# Altium PCB 11BRANMB10H2_20170927.pcbdoc (part 8 of 11) (continued)
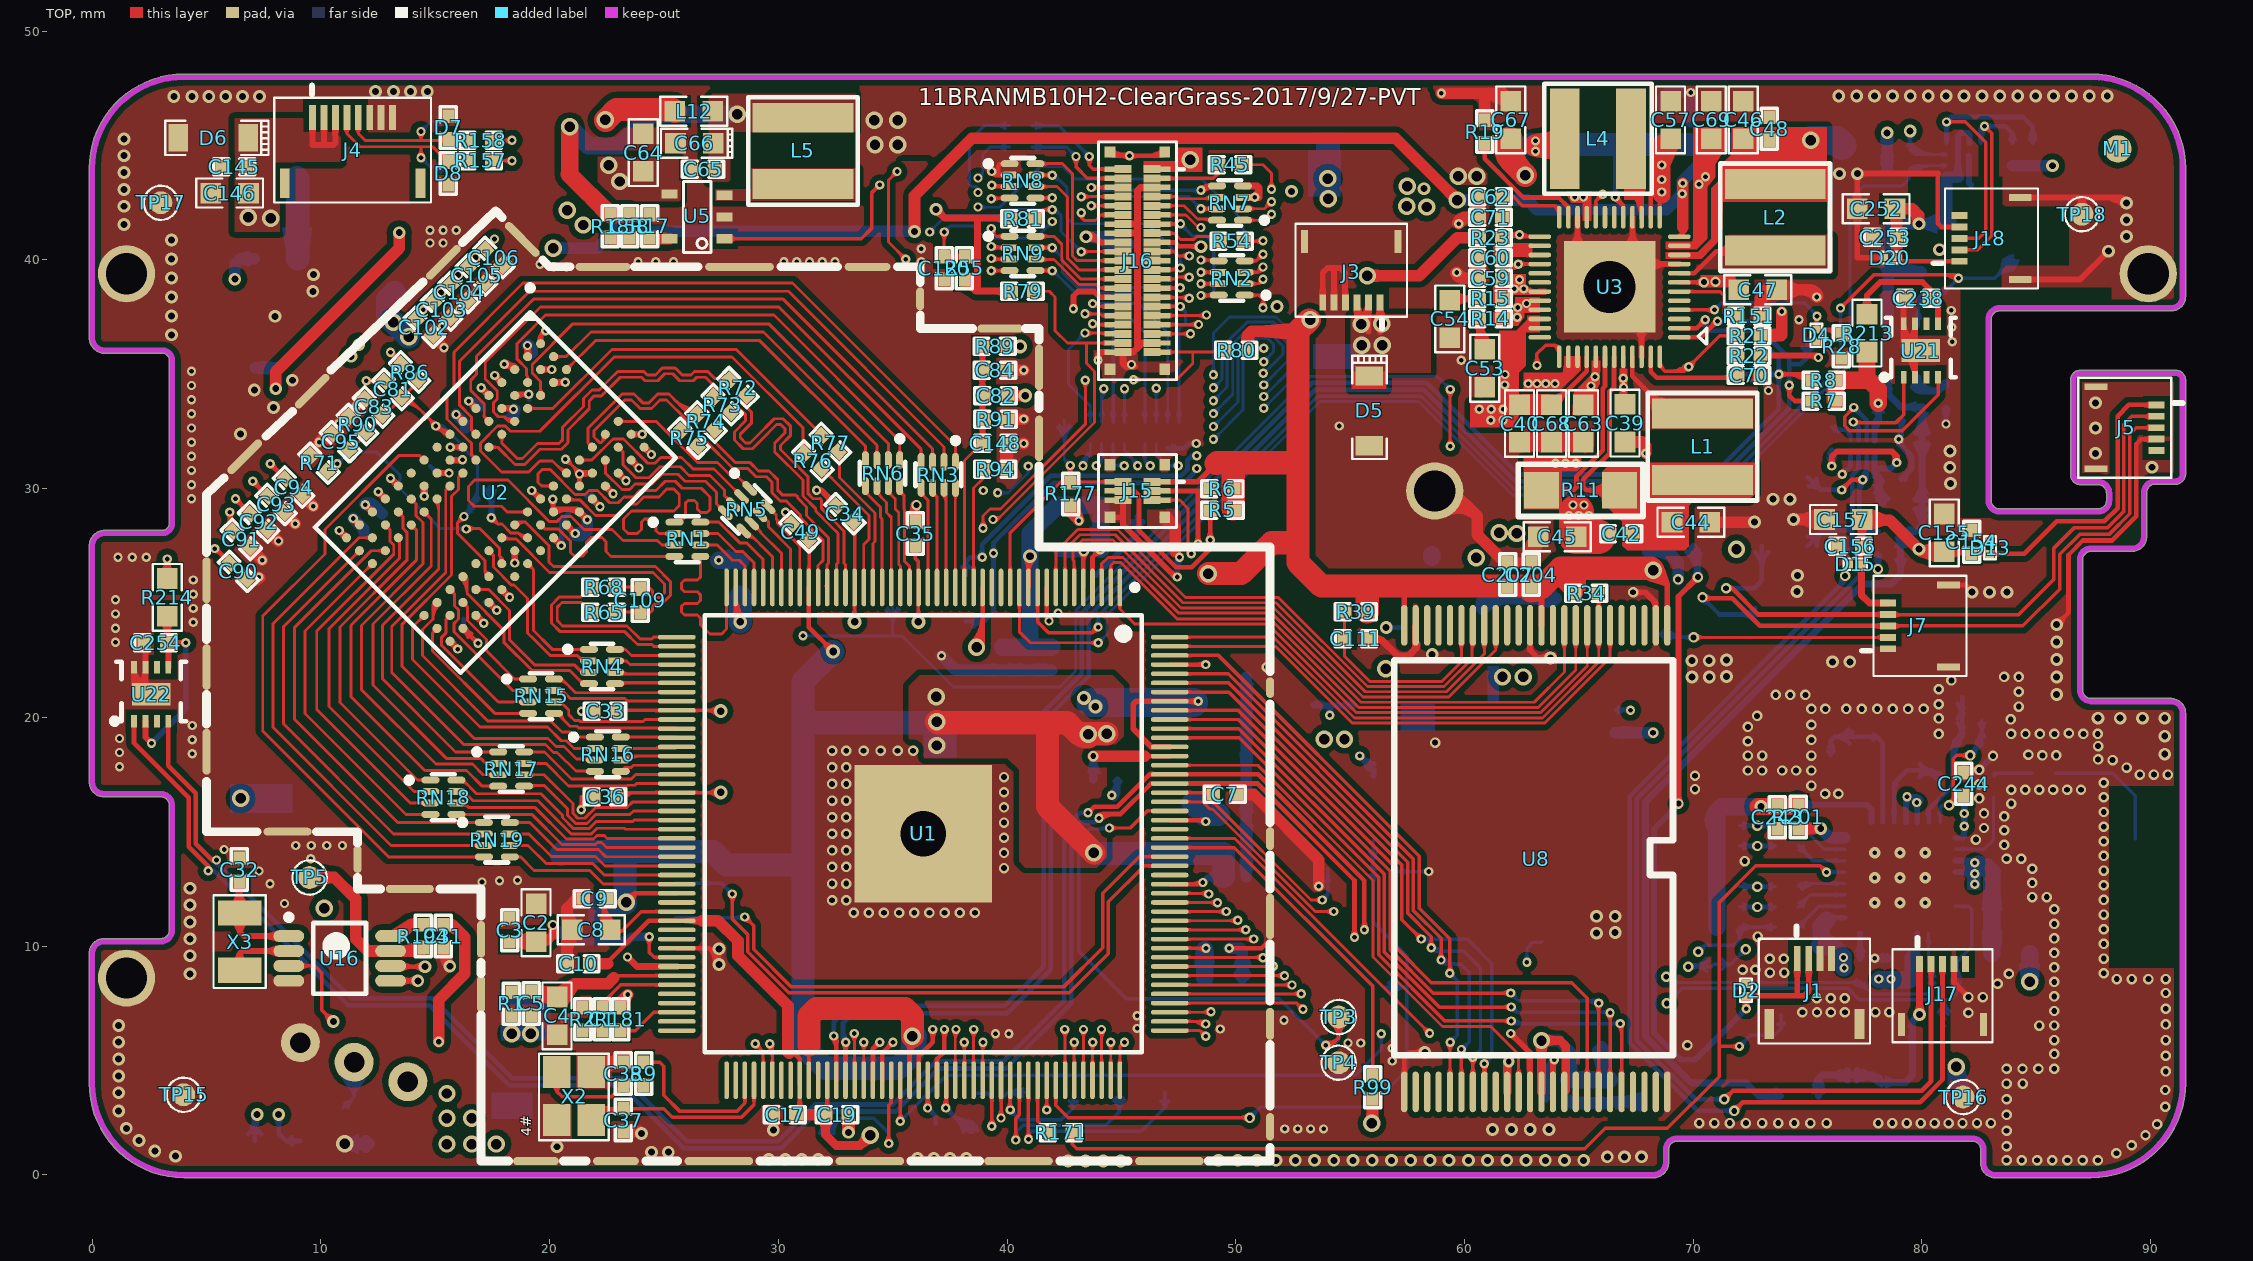
[diagram p0: TOP view]
## Nets (pads, with @x,y where several pads share a name; then routed paths per layer and width w, separated by ;. In a path a pad name is that pad's centre, name@x,y a point inside that pad or via, vN(x,y) a via of type N, cw(c..) or ccw(c..) an arc to the next point about the centre after c; other vN are vias at no path point) (continued)
  other v1: 73.875,37.744
SA0: RN17.5 U1.64 | length 8.1
  TOP w0.127: RN17.5@18.882,16.992 18.905,17.015 19.774,17.015 20.788,16.001 20.788,15.712 21.138,15.362 21.632,15.362 22.031,15.761 23.514,15.761 23.661,15.908 U1.64@25.56,15.908 ; RN17.5@19.186,16.929 cw(c19.393,16.722) 19.393,17.015 ; RN17.5@19.186,17.055 ccw(c19.283,17.151) 19.283,17.015
SA1: RN15.7 U1.52 | length 6
  TOP w0.127: RN15.7@20.187,21.178 20.55,21.178 20.902,20.825 23.297,20.825 23.414,20.708 U1.52@25.56,20.708 ; RN15.7@20.428,21.089 cw(c20.428,20.581) 20.787,20.94
SA2: RN18.7 U1.66 | length 10.9
  TOP w0.127: RN18.7@15.92,16.758 16.248,16.758 16.649,16.357 19.493,16.357 20.945,14.905 21.822,14.905 22.068,15.152 23.276,15.152 23.32,15.108 U1.66@25.56,15.108 ; RN18.7@16.161,16.669 cw(c16.161,16.245) 16.461,16.545
SA3: RN18.8 U1.65 | length 11
  TOP w0.127: RN18.8@15.92,17.258 16.205,17.258 16.802,16.661 19.619,16.661 20.559,15.721 20.559,15.617 21.043,15.134 21.727,15.134 22.05,15.456 23.641,15.456 23.692,15.508 U1.65@25.56,15.508 ; RN18.8@16.161,17.169 cw(c16.161,16.849) 16.388,17.075
SA4: RN15.8 U1.51 | length 6.4
  TOP w0.127: RN15.8@20.187,21.678 20.535,21.678 21.133,21.079 U1.51@25.27,21.079 ; RN15.8@20.428,21.589 cw(c20.428,21.118) 20.761,21.451 ; 24.678,21.079 ccw(c24.678,21.265) U1.51@24.809,21.133 ; U1.51@25.27,21.079 25.299,21.108 U1.51@25.56,21.108 U1.51@25.27,21.079
SA5: RN18.6 U1.67 | length 10.8
  TOP w0.127: RN18.6@15.92,16.258 16.269,16.258 16.475,16.052 ; RN18.6@16.166,16.169 cw(c16.19,15.767) 16.475,16.052 ; U1.67@25.56,14.708 22.512,14.708 22.388,14.832 22.072,14.832 21.916,14.676 20.742,14.676 19.366,16.052 16.475,16.052
SA6: RN15.6 U1.54 | length 6.2
  TOP w0.127: RN15.6@20.187,20.678 20.481,20.678 20.835,20.325 20.835,20.118 21.085,19.867 21.3,19.867 21.354,19.813 24.068,19.813 24.163,19.908 U1.54@25.56,19.908 ; RN15.6@20.428,20.589 cw(c20.428,20.246) 20.671,20.488
SA7: RN19.6 U1.71 | length 8.2
  TOP w0.127: RN19.6@18.257,14.404 19.059,14.404 19.851,13.612 21.882,13.612 22.387,13.108 U1.71@25.56,13.108 ; RN19.6@18.561,14.341 cw(c18.713,14.189) 18.713,14.404 cw(c18.713,14.618) RN19.6@18.561,14.467
SA8: RN15.5 U1.55 | length 6.4
  TOP w0.127: RN15.5@20.517,20.178 ccw(c20.981,20.178) 20.653,19.85 ; 24.682,19.535 cw(c24.682,19.355) U1.55@24.809,19.482 ; U1.55@25.56,19.508 25.533,19.535 21.273,19.535 21.194,19.613 20.89,19.613 RN15.5@20.413,20.09 ; RN15.5@20.413,20.09 RN15.5@20.187,20.178 20.275,20.09 RN15.5@20.413,20.09
SA9: RN19.8 U1.69 | length 8.3
  TOP w0.127: RN19.8@18.257,15.404 19.126,15.404 20.311,14.219 22.106,14.219 22.109,14.222 22.135,14.222 22.449,13.908 U1.69@25.56,13.908 ; RN19.8@18.561,15.341 cw(c18.713,15.189) 18.713,15.404 cw(c18.713,15.618) RN19.8@18.561,15.467
SA10: RN4.7 U1.48 | length 3.1
  TOP w0.127: RN4.7@22.854,22.473 23.343,22.473 23.508,22.308 U1.48@25.56,22.308 ; RN4.7@23.158,22.41 cw(c23.31,22.258) 23.31,22.473 cw(c23.31,22.688) RN4.7@23.158,22.536
SA11: RN16.8 U1.56 | length 3
  TOP w0.127: RN16.8@23.11,19.141 25.527,19.141 U1.56@25.56,19.108 ; RN16.8@23.415,19.078 cw(c23.566,18.926) 23.566,19.141 cw(c23.566,19.355) RN16.8@23.415,19.204 ; 24.667,19.141 cw(c24.667,18.94) U1.56@24.809,19.082
SA12: RN4.5 U1.50 | length 3
  TOP w0.152: RN4.5@22.854,21.473 22.889,21.508 U1.50@25.56,21.508 ; RN4.5@23.149,21.419 cw(c23.363,21.205) 23.363,21.508
SA13: RN18.5 U1.68 | length 10.6
  TOP w0.127: RN18.5@15.92,15.758 15.931,15.747 19.24,15.747 20.539,14.448 22.011,14.448 22.09,14.527 22.261,14.527 22.48,14.308 U1.68@25.56,14.308 ; RN18.5@16.224,15.695 cw(c16.349,15.57) 16.349,15.747 ; RN18.5@16.224,15.821 ccw(c16.402,15.999) 16.402,15.747
SA14: RN16.7 U1.57 | length 3.1
  TOP w0.127: RN16.7@23.11,18.641 25.493,18.641 U1.57@25.56,18.708 ; RN16.7@23.415,18.578 cw(c23.566,18.426) 23.566,18.641 cw(c23.566,18.855) RN16.7@23.415,18.703 ; 24.585,18.641 ccw(c24.585,18.958) U1.57@24.809,18.734
SBA0: RN17.6 U1.63 | length 8.4
  TOP w0.127: RN17.6@18.882,17.492 19.759,17.492 21.017,16.234 21.017,15.806 21.232,15.591 21.538,15.591 22.013,16.066 23.388,16.066 23.63,16.308 U1.63@25.56,16.308 ; RN17.6@19.186,17.429 cw(c19.338,17.277) 19.338,17.492 cw(c19.338,17.707) RN17.6@19.186,17.555
SBA1: RN4.6 U1.49 | length 3.7
  TOP w0.127: RN4.6@22.854,21.973 22.934,21.893 U1.49@25.121,21.893 ; RN4.6@23.158,22.036 ccw(c23.504,22.381) 23.504,21.893 ; 24.711,21.893 ccw(c24.711,22.032) U1.49@24.809,21.934 ; U1.49@25.121,21.893 25.135,21.908 U1.49@25.56,21.908 U1.49@25.121,21.893
SBA2: RN17.7 U1.61 | length 7.5
  TOP w0.127: RN17.7@18.882,17.992 19.84,17.992 20.827,17.005 23.404,17.005 23.431,17.033 23.724,17.033 23.799,17.108 U1.61@25.56,17.108 ; RN17.7@19.186,17.929 cw(c19.338,17.777) 19.338,17.992 cw(c19.338,18.207) RN17.7@19.186,18.055
SCAS: RN16.5 U1.59 | length 2.6
  TOP w0.127: RN16.5@23.11,17.641 23.28,17.81 23.57,17.81 23.668,17.908 U1.59@25.56,17.908
SCK: R65.2 U1.45 | length 8.6
  TOP w0.127: 21.469,24.93 ccw(c21.805,25.265) R65.2@21.805,24.79 ; 21.494,24.905 cw(c21.193,24.604) R65.2@21.619,24.604 ; R65.2@21.795,24.604 21.382,25.017 20.536,25.017 20.333,24.814 20.333,24.233 20.566,24.001 23.385,24.001 23.951,23.435 24.48,23.435 24.553,23.508 U1.45@25.56,23.508
SCK-N: R68.2 U1.46 | length 9.4
  TOP w0.127: 21.47,25.371 cw(c21.805,25.036) R68.2@21.805,25.51 ; 21.494,25.395 ccw(c21.192,25.696) R68.2@21.618,25.696 ; R68.2@21.795,25.696 21.37,25.271 20.431,25.271 20.079,24.919 20.079,24.128 20.46,23.747 23.28,23.747 23.846,23.181 24.48,23.181 24.553,23.108 U1.46@25.56,23.108
SCKE: RN4.8 U1.47 | length 3.2
  TOP w0.127: RN4.8@22.854,22.973 23.319,22.973 23.584,22.708 U1.47@25.56,22.708 ; RN4.8@23.158,22.91 cw(c23.31,22.758) 23.31,22.973 cw(c23.31,23.188) RN4.8@23.158,23.036
SD_CLK_1: R171.2 TP43.1 U7.21 | length 54.2
  TOP w0.152: R171.2@42.854,1.829 42.854,1.329 43.04,1.143 65.265,1.143 66.154,2.032 68.872,2.032 71.132,4.293 71.132,5.613 ; v1(72.021,5.613) 71.132,5.613 ; v1(75.831,13.233) 75.552,13.513 72.737,13.513 71.132,11.908 71.132,5.613 ; 42.854,1.409 ccw(c42.434,1.409) 42.731,1.706 cw(c42.434,1.409) 42.854,1.409 ; 42.854,1.409 cw(c43.274,1.409) 42.977,1.706 ccw(c43.274,1.409) 42.854,1.409 ; 71.715,5.613 ccw(c71.715,5.92) 71.931,5.703 cw(c71.715,5.92) 71.715,5.613 ; 71.715,5.613 cw(c71.715,5.307) 71.931,5.524 ccw(c71.715,5.307) 71.715,5.613 ; 75.614,13.45 ccw(c75.831,13.667) 75.831,13.36 cw(c75.831,13.667) 75.614,13.45 ; 75.614,13.45 cw(c75.398,13.233) 75.704,13.233 ccw(c75.398,13.233) 75.614,13.45
  BOTTOM w0.152: v1(72.021,5.613) 72.504,6.096 73.545,6.096 73.85,6.401 73.85,6.95 TP43.1@73.8,7 ; v1(75.831,13.233) 76.614,13.233 U7.21@76.618,13.237 ; 72.238,5.83 ccw(c72.455,5.613) 72.148,5.613 cw(c72.455,5.613) 72.238,5.83 ; 72.238,5.83 cw(c72.021,6.047) 72.021,5.74 ccw(c72.021,6.047) 72.238,5.83 ; 73.85,6.399 ccw(c73.655,6.399) 73.701,6.588 cw(c73.655,6.399) 73.85,6.399 ; 73.85,6.399 cw(c74.097,6.399) 73.988,6.62 ccw(c74.097,6.399) 73.85,6.399 ; 76.138,13.233 ccw(c76.138,12.927) 75.921,13.144 cw(c76.138,12.927) 76.138,13.233 ; 76.138,13.233 cw(c76.138,13.54) 75.921,13.323 ccw(c76.138,13.54) 76.138,13.233 ; 76.216,13.233 ccw(c76.216,13.364) 76.308,13.272 cw(c76.216,13.364) 76.216,13.233
SD_CMD_1: R170.2 U7.20 | length 4.8
  BOTTOM w0.152: R170.2@74.59,12.606 74.721,12.737 U7.20@76.618,12.737 ; R170.2@74.657,12.62 ccw(c74.814,12.745) 74.914,12.571 ; R170.2@74.776,12.714 ccw(c74.954,12.856) 75.068,12.659 ; R170.2@74.655,12.591 cw(c75.008,12.238) 75.008,12.737 ccw(c75.008,12.238) R170.2@74.655,12.591 ; R170.2@74.763,12.483 cw(c75.376,11.87) 75.376,12.737 ccw(c75.376,11.87) R170.2@74.763,12.483
SD_D0_1: R172.2 U7.22 | length 4
  BOTTOM w0.152: R172.2@74.59,14.384 75.237,13.737 U7.22@76.618,13.737 ; R172.2@74.634,14.364 cw(c74.523,14) 74.89,14.098 ; R172.2@74.64,14.21 cw(c74.64,13.912) 74.851,14.123 ccw(c74.64,13.912) R172.2@74.64,14.21 ; R172.2@74.814,14.384 ccw(c75.354,14.384) 74.972,14.002 cw(c75.354,14.384) R172.2@74.814,14.384
SD_D1_1: R173.2 U7.23 | length 4.2
  BOTTOM w0.152: R173.2@74.59,15.273 74.691,15.273 74.7,15.264 75.727,14.237 U7.23@76.618,14.237 ; R173.2@74.758,15.259 cw(c74.616,14.865) 75.021,14.973 ; R173.2@74.765,15.105 cw(c74.765,14.879) 74.925,15.039 ccw(c74.765,14.879) R173.2@74.765,15.105 ; R173.2@74.939,15.279 ccw(c75.552,15.279) 75.119,14.846 cw(c75.552,15.279) R173.2@74.939,15.279
SD_D2_1: R168.2 U7.18 | length 4.1
  BOTTOM w0.152: R168.2@74.59,10.828 75.499,11.737 U7.18@76.618,11.737 ; R168.2@74.634,10.849 ccw(c74.523,11.212) 74.89,11.114 ; R168.2@74.64,11.002 ccw(c74.64,11.301) 74.851,11.09 cw(c74.64,11.301) R168.2@74.64,11.002 ; R168.2@74.814,10.828 cw(c75.354,10.828) 74.972,11.21 ccw(c75.354,10.828) R168.2@74.814,10.828
SD_D3_1: R169.2 U7.19 | length 3.9
  BOTTOM w0.152: R169.2@74.59,11.717 75.11,12.237 U7.19@76.618,12.237 ; R169.2@74.634,11.738 ccw(c74.523,12.101) 74.89,12.003 ; R169.2@74.64,11.891 ccw(c74.64,12.19) 74.851,11.979 cw(c74.64,12.19) R169.2@74.64,11.891 ; R169.2@74.814,11.717 cw(c75.354,11.717) 74.972,12.099 ccw(c75.354,11.717) R169.2@74.814,11.717
SDQ0: RN3.5 U1.22 | length 4.8
  TOP w0.127: RN3.5@36.245,29.709 cw(c36.245,29.504) 36.391,29.649 ; RN3.5@36.245,30.04 36.245,29.794 36.547,29.493 36.547,29.072 36.535,29.059 U1.22@36.535,25.683 ; RN3.5@36.334,29.798 ccw(c36.558,29.798) 36.4,29.64
SDQ1: RN1.8 U1.40 | length 5
  TOP w0.127: RN1.8@26.588,28.536 27.406,28.536 28.309,27.633 28.602,27.633 29.335,26.9 U1.40@29.335,25.683 ; RN1.8@26.892,28.473 cw(c27.044,28.321) 27.044,28.536 cw(c27.044,28.75) RN1.8@26.892,28.599
SDQ2: RN3.6 U1.21 | length 4.7
  TOP w0.127: RN3.6@36.746,30.04 36.746,29.833 36.928,29.651 ; RN3.6@36.756,29.71 cw(c36.781,29.504) 36.928,29.651 ; RN3.6@36.834,29.798 ccw(c36.964,29.798) 36.873,29.706 ; U1.21@36.935,25.683 36.928,29.464 36.928,29.651
SDQ3: RN1.7 U1.41 | length 4.3
  TOP w0.127: RN1.7@26.588,28.036 27.367,28.036 28.151,27.252 28.445,27.252 28.935,26.761 U1.41@28.935,25.683 ; RN1.7@26.892,27.973 cw(c27.044,27.821) 27.044,28.036 cw(c27.044,28.25) RN1.7@26.892,28.098
SDQ4: RN3.8 U1.19 | length 4.7
  TOP w0.127: RN3.8@37.682,29.737 cw(c37.538,29.598) 37.737,29.595 ; U1.19@37.735,25.683 37.735,29.48 RN3.8@37.746,30.04 ; 37.737,29.573 cw(c37.967,29.569) RN3.8@37.807,29.734
SDQ5: RN1.5 U1.44 | length 9.2
  TOP w0.127: RN1.5@26.525,26.973 cw(c26.373,26.821) 26.588,26.821 cw(c26.802,26.821) RN1.5@26.651,26.973 ; RN1.5@26.588,27.036 26.588,26.129 26.461,26.002 25.896,26.002 25.769,25.875 25.769,25.621 25.896,25.494 26.461,25.494 26.588,25.367 26.588,25.113 26.461,24.986 25.896,24.986 25.769,24.859 25.769,24.605 25.896,24.478 26.461,24.478 26.588,24.351 26.588,24.071 27.013,23.645 27.521,23.645 27.735,23.859 U1.44@27.735,25.683
SDQ6: RN3.7 U1.20 | length 6
  TOP w0.127: RN3.7@37.183,29.735 cw(c36.814,29.367) 37.335,29.367 ; RN3.7@37.237,29.71 cw(c37.226,29.602) 37.335,29.602 ; RN3.7@37.24,29.71 cw(c37.236,29.636) 37.309,29.636 ; RN3.7@37.272,29.825 cw(c37.121,29.674) 37.335,29.674 ; RN3.7@37.321,29.751 ccw(c37.408,29.696) 37.335,29.623 ; U1.20@37.335,25.683 37.335,27.03 37.326,27.04 37.335,27.576 37.335,29.623 ; RN3.7@37.245,30.04 RN3.7@37.309,29.809 ; RN3.7@37.245,30.04 RN3.7@37.278,29.84 ; RN3.7@37.245,30.04 37.245,29.872 RN3.7@37.278,29.84 ; RN3.7@37.278,29.84 RN3.7@37.309,29.809 ; RN3.7@37.278,29.84 37.309,29.649 ; 37.309,29.649 37.335,29.623 ; 37.309,29.649 RN3.7@37.309,29.809
SDQ7: RN1.6 U1.42 | length 3.6
  TOP w0.127: RN1.6@26.588,27.536 27.328,27.536 27.993,26.871 28.287,26.871 28.535,26.623 U1.42@28.535,25.683 ; RN1.6@26.892,27.473 cw(c27.044,27.321) 27.044,27.536 cw(c27.044,27.75) RN1.6@26.892,27.599
SDQ8: RN5.7 U1.37 | length 4
  TOP w0.127: RN5.7@29.19,28.858 29.267,28.858 29.577,28.548 ; RN5.7@29.382,28.601 cw(c29.433,28.403) 29.577,28.548 ; U1.37@30.535,25.683 30.535,27.362 29.577,28.32 29.577,28.548
SDQ9: RN6.7 U1.25 | length 5
  TOP w0.127: RN6.7@34.807,29.786 cw(c34.807,29.614) 34.929,29.735 ; RN6.7@34.807,30.116 34.807,29.857 35.109,29.555 35.109,29.112 35.264,28.957 35.264,26.692 35.335,26.621 U1.25@35.335,25.683 ; RN6.7@34.896,29.875 ccw(c35.153,29.875) 34.971,29.693
SDQ10: RN5.5 U1.39 | length 3.7
  TOP w0.127: RN5.5@28.483,28.151 28.623,28.151 29.735,27.039 U1.39@29.735,25.683 ; RN5.5@28.653,27.891 cw(c28.653,27.337) 29.045,27.729 ; RN5.5@28.653,28.018 cw(c28.653,27.771) 28.829,27.946
SDQ11: RN6.8 U1.24 | length 4.9
  TOP w0.127: RN6.8@35.307,30.116 35.307,29.896 35.49,29.713 ; RN6.8@35.309,29.786 cw(c35.314,29.537) 35.49,29.713 ; RN6.8@35.396,29.875 ccw(c35.559,29.875) 35.444,29.759 ; U1.24@35.735,25.683 35.735,26.608 35.518,26.825 35.518,29.089 35.49,29.117 35.49,29.713
SDQ12: RN5.8 U1.36 | length 4.4
  TOP w0.127: RN5.8@29.544,29.212 29.909,28.846 29.909,28.678 29.958,28.628 29.958,28.478 30.935,27.501 U1.36@30.935,25.683 ; RN5.8@29.714,28.952 cw(c29.714,28.738) 29.866,28.889 ; RN5.8@29.803,29.041 ccw(c30.018,29.041) 29.866,28.889
SDQ13: RN6.6 U1.26 | length 5
  TOP w0.127: RN6.6@34.307,30.116 34.307,29.818 34.728,29.397 34.728,28.954 34.935,28.747 U1.26@34.935,25.683 ; RN6.6@34.396,29.875 ccw(c34.747,29.875) 34.499,29.626
SDQ14: RN5.6 U1.38 | length 3.7
  TOP w0.127: RN5.6@28.836,28.505 29.225,28.116 29.225,28.088 30.135,27.178 U1.38@30.135,25.683 ; RN5.6@29.007,28.245 cw(c29.007,28.03) 29.159,28.182 ; RN5.6@29.096,28.334 ccw(c29.31,28.334) 29.159,28.182
SDQ15: RN6.5 U1.27 | length 5.1
  TOP w0.127: RN6.5@33.807,29.786 cw(c33.807,29.636) 33.913,29.742 ; RN6.5@33.807,30.116 33.807,29.848 34.474,29.181 34.474,28.74 34.535,28.679 U1.27@34.535,25.683 ; RN6.5@33.896,29.875 ccw(c34.175,29.875) 33.978,29.677
SDQM0: R76.1 U1.29 | length 7.1
  TOP w0.127: R76.1@31.898,30.639 cw(c31.898,30.017) 32.338,30.457 ; R76.1@31.898,30.766 cw(c31.898,30.451) 32.121,30.674 ; R76.1@31.905,30.819 31.976,30.819 33.966,28.829 33.966,27.79 33.735,27.56 U1.29@33.735,25.683 ; R76.1@32.085,30.826 ccw(c32.363,30.826) 32.166,30.629
SDQM1: R77.1 U1.28 | length 7.3
  TOP w0.127: R77.1@32.528,31.456 cw(c32.193,31.12) 32.667,31.12 ; 32.667,31.155 cw(c33.093,31.155) R77.1@32.792,31.456 ; R77.1@32.667,31.581 32.667,30.487 34.22,28.935 34.22,27.685 34.135,27.6 U1.28@34.135,25.683
SDQS0: R72.1 U1.31 | length 14
  TOP w0.127: R72.1@28.49,33.894 cw(c28.369,33.774) R72.1@28.539,33.774 ; 28.539,33.625 cw(c28.786,33.625) R72.1@28.692,33.854 ; R72.1@28.629,34.019 28.539,33.93 28.539,33.634 28.818,33.355 28.818,32.862 28.334,32.378 28.334,32.234 28.567,32.002 28.764,32.002 28.996,32.234 29.819,33.057 30.208,33.057 30.538,32.727 30.538,32.337 30.095,31.894 30.095,31.714 31.304,30.506 31.304,29.776 31.519,29.561 31.825,29.561 31.83,29.566 31.89,29.506 31.89,29.125 31.916,29.099 32.412,28.602 32.862,28.153 32.862,26.763 32.935,26.69 U1.31@32.935,25.683
SDQS0-N: R73.1 U1.32 | length 13.8
  TOP w0.127: R73.1@27.943,33.282 28.189,33.529 ; R73.1@27.98,33.471 ccw(c28.033,33.684) 28.189,33.529 ; R73.1@28.12,33.318 cw(c28.362,33.355) 28.189,33.529 ; U1.32@32.535,25.683 32.535,26.69 32.608,26.763 32.608,28.047 32.307,28.348 31.662,28.994 31.636,29.019 31.636,29.121 31.075,29.682 31.075,30.375 29.841,31.609 29.841,31.999 30.284,32.443 30.284,32.622 30.103,32.803 29.924,32.803 29.25,32.129 28.869,31.748 28.461,31.748 28.08,32.129 28.08,32.484 28.564,32.967 28.564,33.25 28.286,33.529 28.189,33.529
SDQS1: R74.1 U1.33 | length 10.7
  TOP w0.127: 27.09,32.144 cw(c27.292,32.144) R74.1@27.257,32.344 ; 27.09,32.296 cw(c27.266,32.296) R74.1@27.235,32.469 ; R74.1@27.232,32.52 27.09,32.378 27.09,32.169 28.122,31.136 28.768,31.136 29.129,30.775 29.587,30.775 29.973,30.389 29.973,29.932 30.188,29.716 30.776,29.716 30.846,29.646 30.846,29.587 31.23,29.204 31.23,28.825 32.198,27.857 32.198,26.743 32.135,26.681 U1.33@32.135,25.683 U1.33@32.068,25.75
SDQS1-N: R75.1 U1.34 | length 10.2
  TOP w0.127: R75.1@26.495,31.809 26.495,31.839 26.709,32.053 ; R75.1@26.526,31.999 ccw(c26.568,32.194) 26.709,32.053 ; R75.1@26.665,31.874 cw(c26.833,31.928) 26.709,32.053 ; U1.34@31.735,25.683 31.735,26.64 31.944,26.849 31.944,27.752 30.976,28.72 30.976,28.832 30.346,29.462 30.083,29.462 29.719,29.826 29.719,30.283 29.481,30.521 29.024,30.521 28.663,30.882 28.016,30.882 26.846,32.053 26.709,32.053
SODT: RN19.5 U1.72 | length 8.1
  TOP w0.127: RN19.5@18.257,13.904 18.721,13.904 19.317,13.308 21.756,13.308 22.355,12.708 U1.72@25.56,12.708 ; RN19.5@18.561,13.841 cw(c18.713,13.689) 18.713,13.904 cw(c18.713,14.118) RN19.5@18.561,13.967
SRAS: RN16.6 U1.58 | length 3.6
  TOP w0.127: RN16.6@23.11,18.141 23.277,18.308 U1.58@25.56,18.308 ; RN16.6@23.235,18.257 cw(c23.357,18.136) 23.357,18.308 ; RN16.6@23.325,18.168 cw(c23.663,17.829) 23.663,18.308 ; RN16.6@23.415,18.078 cw(c23.97,17.523) 23.97,18.308
SRST: RN19.7 U1.70 | length 8.2
  TOP w0.127: RN19.7@18.257,14.904 19.089,14.904 20.075,13.917 22.009,13.917 22.418,13.508 U1.70@25.56,13.508 ; RN19.7@18.561,14.841 cw(c18.713,14.689) 18.713,14.904 cw(c18.713,15.118) RN19.7@18.561,14.967
SVREF: C82.2 C84.1 C148.2 R89.1 R91.2 U1.18 | length 32.4
  TOP w0.127: U1.18@38.135,25.683 38.135,31.237 C148.2@38.875,31.977 ; C148.2@38.783,31.749 ccw(c38.703,32.05) C148.2@38.999,31.956 ; C84.1@38.91,35.18 C82.2@38.911,34.095 ; C148.2@38.923,31.984 C148.2@38.875,31.977 ; C148.2@38.925,31.985 C148.2@38.934,31.986 ; C148.2@38.875,31.977 38.925,31.977 C148.2@38.934,31.986 ; C82.2@38.911,34.095 C82.2@38.925,34.081 ; C82.2@38.911,34.095 C82.2@38.925,34.081 ; C82.2@38.925,34.081 C82.2@38.934,34.071 ; C82.2@38.925,34.081 C82.2@38.934,34.071 ; C148.2@38.934,31.986 38.934,33.042 C82.2@38.934,34.071 ; 38.514,31.616 cw(c38.935,31.195) 38.935,31.79 ccw(c38.935,31.195) 38.514,31.616 ; 38.659,31.76 ccw(c38.442,31.977) 38.748,31.977 cw(c38.442,31.977) 38.659,31.76 ; C84.1@38.789,35.048 cw(c38.496,34.755) 38.911,34.755 ccw(c38.496,34.755) C84.1@38.789,35.048 ; C148.2@38.803,32.108 ccw(c38.485,32.426) 38.934,32.426 cw(c38.485,32.426) C148.2@38.803,32.108 ; R91.2@38.812,32.911 cw(c38.518,32.616) 38.934,32.616 ccw(c38.518,32.616) R91.2@38.812,32.911 ; R91.2@38.812,33.174 ccw(c38.518,33.468) 38.934,33.468 cw(c38.518,33.468) R91.2@38.812,33.174 ; C82.2@38.812,33.939 cw(c38.518,33.645) 38.934,33.645 ccw(c38.518,33.645) C82.2@38.812,33.939 ; C82.2@38.812,34.203 ccw(c38.575,34.44) 38.911,34.441 cw(c38.575,34.44) C82.2@38.812,34.203 ; 38.911,34.602 ccw(c39.475,34.602) 39.076,34.203 cw(c39.475,34.602) 38.911,34.602 ; 38.911,34.705 cw(c39.396,34.705) 39.053,35.049 ccw(c39.396,34.705) 38.911,34.705 ; 38.934,32.428 ccw(c39.386,32.428) 39.067,32.108 cw(c39.386,32.428) 38.934,32.428 ; 38.934,32.568 cw(c39.419,32.568) 39.076,32.911 ccw(c39.419,32.568) 38.934,32.568 ; 38.934,33.517 ccw(c39.419,33.517) 39.076,33.174 cw(c39.419,33.517) 38.934,33.517 ; 38.934,33.597 cw(c39.419,33.597) 39.076,33.939 ccw(c39.419,33.597) 38.934,33.597
  TOP w0.152: R89.1@38.898,36.227 38.911,36.214 38.925,35.649 ; R89.1@38.788,36.101 cw(c38.491,35.79) 38.921,35.801 ccw(c38.491,35.79) R89.1@38.788,36.101 ; 38.921,35.815 cw(c39.33,35.825) 39.033,36.107 ccw(c39.33,35.825) 38.921,35.815
  TOP w0.227: C82.2@38.911,34.095 C82.2@38.925,34.071
  TOP w0.234: R91.2@38.925,33.043 R91.2@38.934,33.042
  TOP w0.254: R89.1@38.897,36.227 38.911,36.214 38.925,36.2 38.925,35.649 38.91,35.182 C84.1@38.91,35.18 ; C84.1@38.91,35.18 38.925,34.081 C82.2@38.925,34.071 ; C148.2@38.925,31.977 38.925,31.985 R91.2@38.925,33.042 ; R91.2@38.925,33.043 C82.2@38.925,34.071 ; C82.2@38.934,34.071 C82.2@38.925,34.071 ; R89.1@38.821,36.14 cw(c38.569,35.889) 38.925,35.889 ccw(c38.569,35.889) R89.1@38.821,36.14 ; C84.1@38.835,35.092 cw(c38.652,34.905) 38.914,34.908 ccw(c38.652,34.905) C84.1@38.835,35.092 ; C84.1@38.836,35.27 ccw(c38.657,35.46) 38.919,35.453 cw(c38.657,35.46) C84.1@38.836,35.27 ; C148.2@38.848,32.064 ccw(c38.662,32.249) 38.925,32.249 cw(c38.662,32.249) C148.2@38.848,32.064 ; 38.915,34.858 cw(c39.247,34.863) 39.009,35.094 ccw(c39.247,34.863) 38.915,34.858 ; 38.92,35.479 ccw(c39.198,35.471) 39.006,35.269 cw(c39.198,35.471) 38.92,35.479 ; 38.92,34.415 ccw(c39.284,34.42) 39.03,34.159 cw(c39.284,34.42) 38.92,34.415 ; 38.925,32.298 ccw(c39.256,32.298) 39.022,32.064 cw(c39.256,32.298) 38.925,32.298 ; 38.925,32.698 cw(c39.289,32.698) 39.031,32.955 ccw(c39.289,32.698) 38.925,32.698 ; 38.925,33.387 ccw(c39.289,33.387) 39.031,33.129 cw(c39.289,33.387) 38.925,33.387 ; 38.925,33.727 cw(c39.289,33.727) 39.031,33.984 ccw(c39.289,33.727) 38.925,33.727 ; 38.925,35.972 cw(c39.163,35.972) 38.995,36.14 ccw(c39.163,35.972) 38.925,35.972
SWE: RN17.8 U1.60 | length 7.6
  TOP w0.127: RN17.8@18.882,18.492 19.774,18.489 20.953,17.31 23.57,17.31 23.768,17.508 U1.60@25.56,17.508 ; RN17.8@19.186,18.429 cw(c19.336,18.279) 19.336,18.491 ; RN17.8@19.187,18.555 ccw(c19.341,18.708) 19.34,18.491
SZQ: R94.2 U1.17 | length 6.7
  TOP w0.127: U1.17@38.535,25.683 38.535,30.024 38.925,30.414 ; R94.2@38.925,30.859 38.925,30.414 ; 38.925,30.414 cw(c39.341,30.414) 39.06,30.721 ccw(c39.341,30.414) 38.925,30.414 ; R94.2@38.803,30.727 cw(c38.509,30.433) 38.925,30.433 ccw(c38.509,30.433) R94.2@38.803,30.727
TEMP_VDD: C254.1 R214.2 U22.2 U22.5 | length 11.8
  TOP w0.254: U22.2@2.329,19.837 2.329,19.134 v1(2.591,18.872) ; R214.2@3.048,24.194 cw(c2.497,23.642) 3.277,23.642 cw(c4.056,23.642) R214.2@3.505,24.194 ; C254.1@3.182,23.353 ccw(c2.952,23.583) 3.277,23.583 ; C254.1@3.232,23.179 cw(c2.997,22.945) 3.329,22.945 ; C254.1@3.277,23.274 R214.2@3.277,24.422 ; 3.277,23.544 ccw(c3.546,23.544) C254.1@3.356,23.353 ; U22.5@3.329,22.187 3.329,23.206 C254.1@3.269,23.266 v1(4.089,23.266) ; 3.329,22.994 cw(c3.591,22.994) 3.406,23.179 cw(c3.616,22.969) 3.616,23.266 cw(c3.616,23.563) C254.1@3.406,23.353
  TOP w0.508: C254.1@3.269,23.266 C254.1@3.277,23.274
  BOTTOM w0.254: v1(2.591,18.872) 4.089,20.371 v1(4.089,23.266)
TP-INT: J15.2 R177.1 TP30.1 U1.13 | length 25
  TOP w0.127: U1.13@40.135,25.683 40.135,28.075 42.36,30.3 ; v1(42.76,31.013) R177.1@42.76,30.3 ; J15.2@44.475,30.3 42.786,30.3 R177.1@42.76,30.3 ; J15.2@44.548,30.3 J15.2@45.065,30.3 ; 42.36,30.3 ccw(c42.36,30.658) 42.64,30.435 cw(c42.36,30.658) 42.36,30.3 ; 42.36,30.3 R177.1@42.76,30.3 ; v1@42.691,30.892 cw(c42.603,30.74) 42.772,30.786 ; v1@42.691,30.892 cw(c42.603,30.74) 42.772,30.786 ; v1@42.691,30.892 cw(c42.603,30.74) 42.772,30.786 ; 42.76,30.676 ccw(c42.423,30.676) 42.662,30.915 cw(c42.423,30.676) 42.76,30.676 ; 42.76,30.676 cw(c43.098,30.676) 42.859,30.915 ccw(c43.098,30.676) 42.76,30.676 ; 42.811,30.641 cw(c43.125,30.725) v1@42.87,30.927 ; 42.811,30.641 cw(c43.125,30.725) v1@42.87,30.927 ; 42.811,30.641 cw(c43.125,30.725) v1@42.87,30.927 ; R177.1@42.918,30.451 cw(c43.297,30.83) 42.76,30.83 ccw(c43.297,30.83) R177.1@42.918,30.451 ; R177.1@42.918,30.451 ccw(c43.281,30.814) 43.281,30.3 cw(c43.281,30.814) R177.1@42.918,30.451 ; 44.234,30.3 ccw(c44.234,30.436) 44.33,30.34 cw(c44.234,30.436) 44.234,30.3 ; 44.234,30.3 cw(c44.234,30.164) 44.33,30.26 ccw(c44.234,30.164) 44.234,30.3 ; J15.2@44.716,30.3 ccw(c44.716,30.164) 44.62,30.26 cw(c44.716,30.164) J15.2@44.716,30.3 ; J15.2@44.716,30.3 cw(c44.716,30.436) 44.62,30.34 ccw(c44.716,30.436) J15.2@44.716,30.3 ; 42.381,30.3 cw(c42.381,29.914) 42.654,30.187 ccw(c42.381,29.914) 42.381,30.3 ; R177.1@42.654,30.451 ccw(c42.397,30.708) 42.76,30.708 cw(c42.397,30.708) R177.1@42.654,30.451 ; R177.1@42.918,30.187 cw(c43.191,29.914) 43.191,30.3 ccw(c43.191,29.914) R177.1@42.918,30.187
  BOTTOM w0.127: TP30.1@42.5,33 42.5,31.274 v1(42.76,31.013) ; 42.5,31.946 ccw(c41.446,31.946) 42.191,32.691 cw(c41.446,31.946) 42.5,31.946 ; 42.5,31.946 cw(c43.554,31.946) 42.809,32.691 ccw(c43.554,31.946) 42.5,31.946 ; 42.5,32.253 ccw(c41.753,32.253) 42.281,32.781 cw(c41.753,32.253) 42.5,32.253 ; 42.5,32.253 cw(c43.247,32.253) 42.719,32.781 ccw(c43.247,32.253) 42.5,32.253 ; 42.522,31.252 ccw(c42.76,31.49) 42.76,31.153 cw(c42.76,31.49) 42.522,31.252 ; 42.522,31.252 cw(c42.283,31.013) 42.621,31.013 ccw(c42.283,31.013) 42.522,31.252
TS: J2.2 R178.2 U3.37 | length 97.9
  TOP w0.152: v1(63.168,35.39) 63.168,35.898 63.549,36.279 63.93,36.279 ; 64.039,36.219 cw(c64.006,36.087) U3.37@64.123,36.157 ; U3.37@64.143,35.769 64.143,36.066 63.93,36.279 ; 63.168,35.697 ccw(c63.475,35.697) 63.258,35.48 cw(c63.475,35.697) 63.168,35.697 ; 63.168,35.697 cw(c62.861,35.697) 63.078,35.48 ccw(c62.861,35.697) 63.168,35.697 ; 63.93,36.279 ccw(c64.138,36.487) 64.143,36.193 cw(c64.138,36.487) 63.93,36.279
  Singal w0.152: J2.2@11.45,4.923 12.974,6.447 15.154,6.447 17.948,3.653 35.779,3.653 37.151,5.025 45.762,5.025 46.155,5.418 52.029,5.418 53.746,7.135 53.746,10.443 55.867,12.564 55.867,16.891 63.544,24.569 63.544,31.997 64.909,33.362 64.909,34.925 64.444,35.39 v1(63.168,35.39) ; 63.475,35.39 ccw(c63.475,35.083) 63.258,35.3 cw(c63.475,35.083) 63.475,35.39 ; 63.475,35.39 cw(c63.475,35.697) 63.258,35.48 ccw(c63.475,35.697) 63.475,35.39
  BOTTOM w0.152: R178.2@10.984,2.942 11.45,3.408 ; J2.2@11.45,4.923 11.45,3.408 ; 11.45,3.409 ccw(c10.355,3.409) 10.997,4.296 cw(c10.355,3.409) 11.45,3.409 ; 11.45,3.409 cw(c12.545,3.409) 11.903,4.296 ccw(c12.545,3.409) 11.45,3.409 ; 11.45,3.707 ccw(c10.571,3.707) 11.086,4.419 cw(c10.571,3.707) 11.45,3.707 ; 11.45,3.707 cw(c12.329,3.707) 11.814,4.419 ccw(c12.329,3.707) 11.45,3.707 ; 11.45,4.005 ccw(c10.786,4.005) 11.175,4.543 cw(c10.786,4.005) 11.45,4.005 ; 11.45,4.005 cw(c12.114,4.005) 11.725,4.543 ccw(c12.114,4.005) 11.45,4.005 ; R178.2@11.031,3.099 ccw(c11.031,3.364) 11.218,3.176 cw(c11.031,3.364) R178.2@11.031,3.099 ; R178.2@11.205,2.925 cw(c11.779,2.925) 11.373,3.331 ccw(c11.779,2.925) R178.2@11.205,2.925